# Altium PCB PCB_monitoring_IO.PcbDoc
Units mm, origin at the board's own origin, x right, y up, seen from the top; angles counter-clockwise.
Board outline 185 x 75 mm, 2 copper layers (Top Layer, Bottom Layer), stack 1.571 mm thick; 139 components, 222 nets, 521 pads, 21 vias.
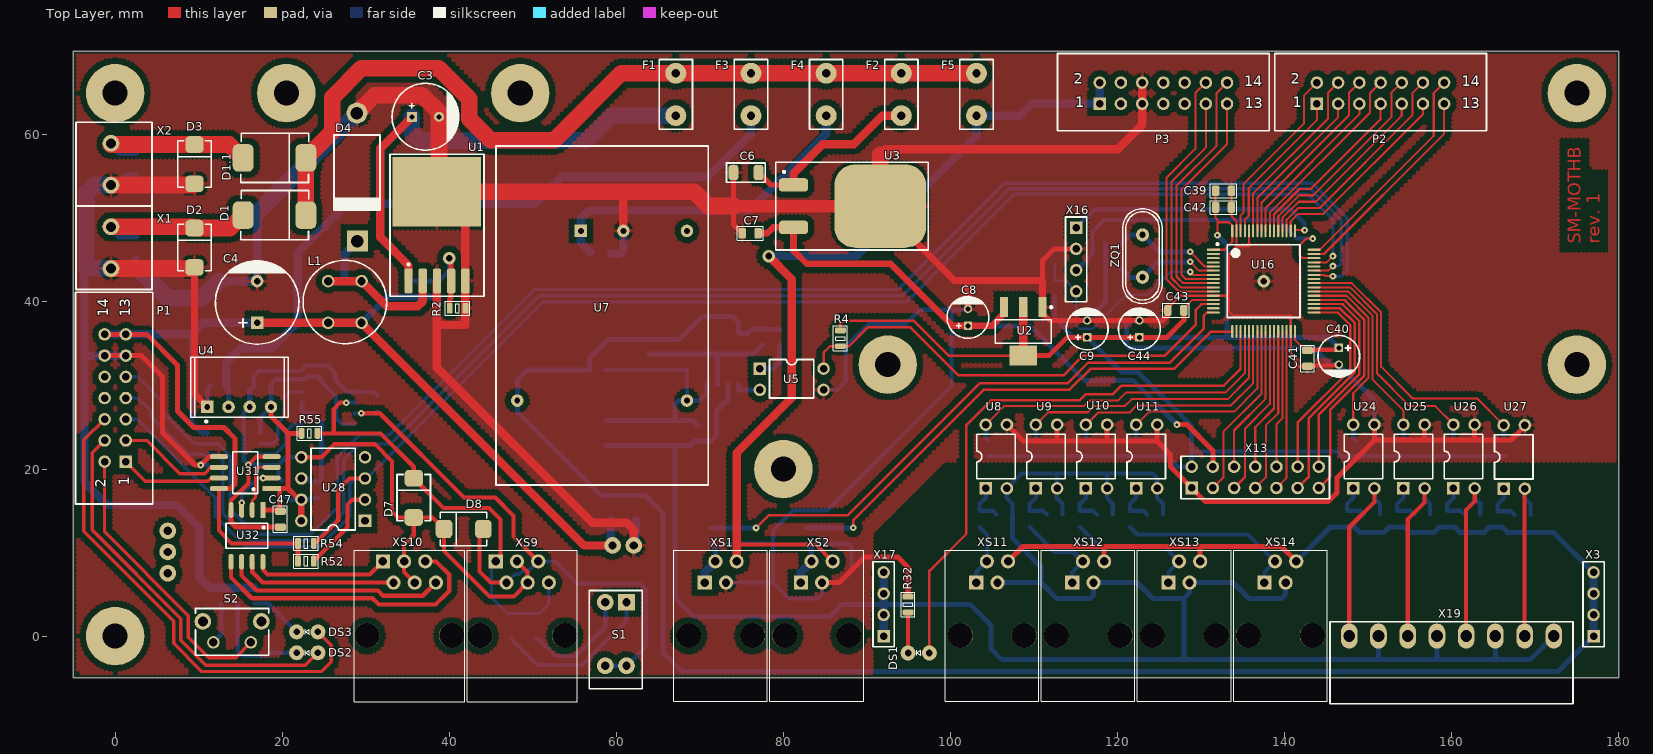
[diagram p0: Top Layer view]
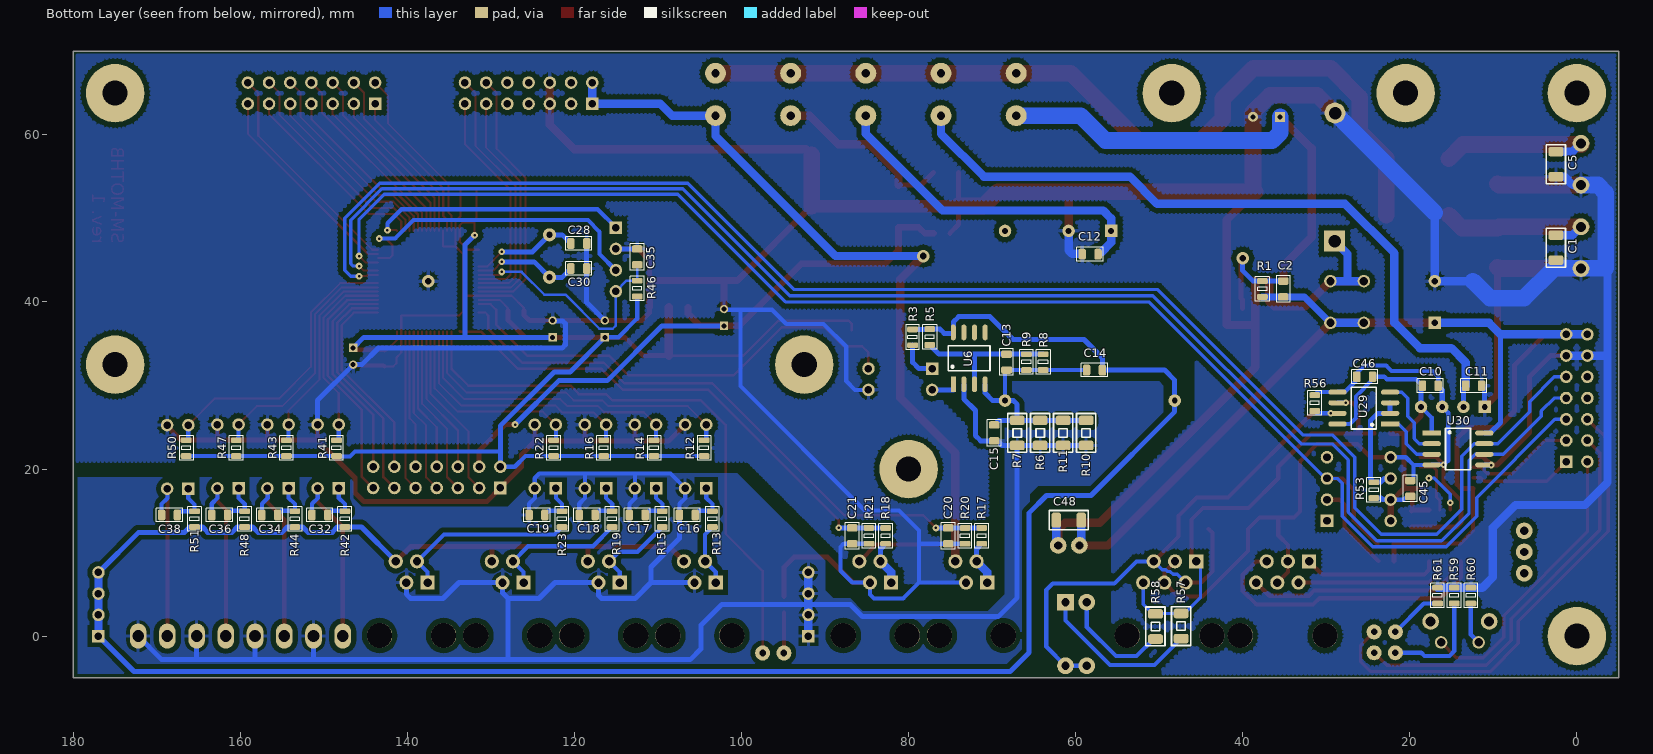
[diagram p1: Bottom Layer view, seen from below]

## Layer stack, top to bottom
Top Solder: solder mask 0.0102, Solder Resist, Dk 3.5
Top Layer: signal copper 0.0356
Dielectric 1: dielectric 1.5, FR-4, Dk 4.8
Bottom Layer: signal copper 0.0356
Bottom Solder: solder mask 0.0102, Solder Resist, Dk 3.5

## Board outline
-5,-5 180,-5 180,70 -5,70

## Design rules (kind name [scope] priority, off if disabled: settings)
Clearance Clearance_3 [InPolygon And InNetClass('GND')] p1: gap=0.4
Clearance Clearance_2 [InPolygon And OnLayer('Bottom Layer')] p2: gap=0.6
Clearance Clearance_1 [InPolygon And OnLayer('Top Layer')] p3: gap=0.7
Clearance [All] p4: gap=0.25
ComponentClearance [All] p1: gap=0 collisioncheckmode=3 verticalgap=0 showdistances=FALSE
Height [All] p1: minheight=0 maxheight=30 prefheight=12.7
HoleSize [All] p1: absolutevalues=TRUE maxlimit=5 minlimit=0.2 maxpercent=80.000 minpercent=20.000
HoleToHoleClearance [All] p1: gap=0.25 allowstackedmicrovias=TRUE
MinimumSolderMaskSliver [All] p1: minsoldermaskwidth=0
PlaneClearance [All] p1: clearance=0.5
PlaneConnect [All] p1: planeconnectstyle=Relief reliefexpansion=0.5 reliefentries=4 reliefconductorwidth=0.3 reliefairgap=0.25
PolygonConnect [All] p1: connectstyle=Relief reliefconductorwidth=0.4 reliefentries=4 polygonreliefangle="90 Angle" airgapwidth=0.4
RoutingCorners [All] p1: cornerstyle=45-Degree minsetback=2 maxsetback=2
RoutingVias [All] p1: holewidth=0.8 width=1.3 viastyle="Through Hole" minholewidth=0.3 minwidth=0.8 maxholewidth=5 maxwidth=7
SilkToBoardRegionClearance [All] p1 off:
SilkToSilkClearance [All] p1: silktosilkclearance=0
SilkToSolderMaskClearance [IsPad] p1: minsilkscreentomaskgap=0 clearancetoexposedcopper=TRUE
SolderMaskExpansion [All] p1: expansion=0.1
Width [All] p1: maxlimit=4 minlimit=0.25 preferedwidth=0.5 minimp=50.000000 maximp=50.000000 favimp=50.000000
19 further rules are at their usual default settings.

## Classes and differential pairs
component class Sheet_Power: C1 C2 C3 C4 C5 C6 C7 C8 C9 C10 C11 C12 C13 C14 C15 C48 D1 D1.1 D2 D3 D4 F1 F2 F3 F4 F5 L1 R1 R2 R3 R4 R5 R6 R7 R8 R9 R10 R11 U1 U2 U3 U4 U5 U6 U7 X1 X2
component class Sheet_MCU_IO: C16 C17 C18 C19 C20 C21 C28 C30 C32 C34 C35 C36 C38 C39 C40 C41 C42 C43 C44 C45 C46 C47 D7 D8 DS1 DS2 DS3 P1 P2 P3 R12 R13 R14 R15 R16 R17 R18 R19 R20 R21 R22 R23 R32 R41 R42 R43 R44 R46 R47 R48 R50 R51 R52 R53 R54 R55 R56 R57 R58 R59 R60 R61 S1 S2 U8 U9 U10 U11 U16 U24 U25 U26 U27 U28 U29 U30 U31 U32 X3 X13 X16 X17 X19 XS1 XS2 XS9 XS10 XS11 XS12 XS13 XS14 ZQ1

## Components (designator, comment, footprint, x,y, rotation, side; value= is the part's Value field where it differs from the comment)
C1 "0,47uF" C_1206 2.5,46.5 r90 bottom
C2 "10nF" C_0805 35.15,41.55 r90 bottom
C3 "Cap_Polar" 8X11 37.15,62.175 r0 top
C4 "Cap_Polar" 10X16 17,40 r90 top
C5 "0,47uF" C_1206 2.5,56.5 r90 bottom
C6 "0,47uF" C_1206 75.525,55.5 r0 top
C7 "0,1uF" C_0805 76.025,48.225 r0 top
C8 "10uF" 5X11 102.1,38.15 r90 top
C9 "10uF" 5X11 116.375,36.775 r90 top
C10 "0,1uF" C_0805 17.55,29.975 r180 bottom
C11 "0,1uF" C_0805 12.35,29.975 r180 bottom
C12 "0,1uF" C_0805 58.275,45.725 r180 bottom
C13 "0,1uF" C_0805 68.275,32.8 r90 bottom
C14 "0,1uF" C_0805 57.75,31.85 r180 bottom
C15 "20pF" C_0805 69.75,24.325 r270 bottom
C16 "0,1uF" C_0805 106.5,14.5 r0 bottom
C17 "0,1uF" C_0805 112.5,14.5 r0 bottom
C18 "0,1uF" C_0805 118.5,14.5 r0 bottom
C19 "0,1uF" C_0805 124.5,14.5 r0 bottom
C20 "Cap_Semi" C_0805 75.25,12 r270 bottom
C21 "Cap_Semi" C_0805 86.75,12 r270 bottom
C28 "20pF" C_0805 119.5,47 r0 bottom
C30 "20pF" C_0805 119.5,44 r0 bottom
C32 "0,1uF" C_0805 150.5,14.5 r0 bottom
C34 "0,1uF" C_0805 156.5,14.5 r0 bottom
C35 "0,1uF" C_0805 112.5,45.4 r90 bottom
C36 "0,1uF" C_0805 162.5,14.5 r0 bottom
C38 "0,1uF" C_0805 168.5,14.5 r0 bottom
C39 "0,1uF" C_0805 132.7,53.325 r0 top
C40 "10uF" 5X11 146.5,33.5 r270 top
C41 "0,1uF" C_0805 142.75,33.25 r270 top
C42 "0,1uF" C_0805 132.7,51.325 r0 top
C43 "10nF" C_0805 127,39 r180 top
C44 "10uF" 5X11 122.625,36.775 r90 top
C45 "0,1uF" C_0805 19.95,17.675 r90 bottom
C46 "0,1uF" C_0805 25.4,31.05 r180 bottom
C47 "0,1uF" C_0805 19.775,14 r90 top
C48 "0,47uF" C_1206 60.825,13.875 r180 bottom
D1 "VS-30BQ040" SMC 19.075,50.4 r180 top
D1.1 "VS-30BQ040" SMC 19.075,57.25 r180 top
D2 "SMBJ15A" SMB 9.5,46.5 r270 top
D3 "SMBJ15A" SMB 9.5,56.5 r270 top
D4 "1N5822" DO-201 29,55 r270 top
D7 "SMBJ12CA" SMB 35.75,16.55 r270 top
D8 "SMBJ12CA" SMB 41.725,12.825 r0 top
DS1 "LED_RED" LED_RED 96.205,-2.025 r270 top locked
DS2 "LED_GREEN" LED_GREEN 23,-2 r270 top locked
DS3 "LED_RED" LED_RED 23,0.5 r270 top locked
F1 "RFTQ-2.5A" "Fuse RFTQ" 67.125,64.85 r90 top
F2 "RFTQ-0.16A" "Fuse RFTQ" 94.125,64.85 r90 top
F3 "RFTQ-0.16A" "Fuse RFTQ" 76.125,64.85 r90 top
F4 "RFTQ-1A" "Fuse RFTQ" 85.125,64.85 r90 top
F5 "RFTQ-1A" "Fuse RFTQ" 103.125,64.85 r90 top
L1 "RCH110NP-470K" RCH-110 27.5,40 r180 top
P1 "BH-14" BH-14 0,28.5 r90 top
P2 "BH-14" BH-14 151.5,65 r0 top
P3 "BH-14" BH-14 125.5,65 r0 top
R1 "Resistor" R_0805 37.65,41.55 r270 bottom
R2 "Resistor" R_0805 41,39.25 r180 top
R3 "Resistor" R_0805 79.525,35.775 r270 bottom
R4 "Resistor" R_0805 86.825,35.65 r90 top
R5 "Resistor" R_0805 77.475,35.8 r90 bottom
R6 "Resistor" R_1206 64.25,24.325 r270 bottom
R7 "Resistor" R_1206 67,24.325 r270 bottom
R8 "Resistor" R_0805 63.9,32.8 r90 bottom
R9 "Resistor" R_0805 65.9,32.8 r90 bottom
R10 "Resistor" R_1206 58.75,24.325 r270 bottom
R11 "Resistor" R_1206 61.5,24.325 r270 bottom
R12 "Resistor" R_0805 104.5,22.5 r90 bottom
R13 "Resistor" R_0805 103.5,14 r270 bottom
R14 "Resistor" R_0805 110.5,22.5 r90 bottom
R15 "Resistor" R_0805 109.5,14 r270 bottom
R16 "Resistor" R_0805 116.5,22.5 r90 bottom
R17 "Resistor" R_0805 71.25,12 r270 bottom
R18 "Resistor" R_0805 82.75,12 r270 bottom
R19 "Resistor" R_0805 115.5,14 r270 bottom
R20 "Resistor" R_0805 73.25,12 r270 bottom
R21 "Resistor" R_0805 84.75,12 r270 bottom
R22 "Resistor" R_0805 122.5,22.5 r90 bottom
R23 "Resistor" R_0805 121.5,14 r270 bottom
R32 "Resistor" R_0805 94.925,3.775 r90 top
R41 "Resistor" R_0805 148.5,22.5 r90 bottom
R42 "Resistor" R_0805 147.5,14 r270 bottom
R43 "Resistor" R_0805 154.5,22.5 r90 bottom
R44 "Resistor" R_0805 153.5,14 r270 bottom
R46 "Resistor" R_0805 112.5,41.6 r90 bottom
R47 "Resistor" R_0805 160.5,22.5 r90 bottom
R48 "Resistor" R_0805 159.5,14 r270 bottom
R50 "Resistor" R_0805 166.5,22.5 r90 bottom
R51 "Resistor" R_0805 165.5,14 r270 bottom
R52 "Resistor" R_0805 22.825,8.975 r180 top
R53 "Resistor 0805" R_0805 24.3,17.475 r270 bottom
R54 "Resistor" R_0805 22.825,11.1 r180 top
R55 "Resistor 0805" R_0805 23.275,24.275 r180 top
R56 "Resistor 0805" R_0805 31.375,27.9 r90 bottom
R57 "Resistor 1206" R_1206 47.375,1.2 r270 bottom
R58 "Resistor 1206" R_1206 50.45,1.15 r270 bottom
R59 "Resistor" R_0805 14.675,4.85 r90 bottom
R60 "Resistor" R_0805 12.675,4.85 r90 bottom
R61 "Resistor" R_0805 16.675,4.85 r90 bottom
S1 "SW DIP-2" Swich_DIP2 59.95,0.25 r270 top
S2 "Swtich" Swich_TACTA-68N-F_ 14,0.5 r0 top locked
U1 "LM2596SX-ADJ" D2PAK_5p 38.525,47.925 r0 top
U2 "LD1117AS33TR" SOT-223_N 108.725,36.475 r270 top
U3 "L7805ABD2T" D2PAK_3p 86.4,51.475 r270 top
U4 "B1205S-1W" SIP4 9.532,26.196 r0 top
U5 "PC817C" DIP-4 81,30.75 r270 top
U6 "LM393DR2G" SO-8_L 72.75,33.25 r90 bottom
U7 "NSD05-12S12" NSD05 58.3,38.35 r270 top
U8 "PC817C" DIP-4 105.5,21.5 r0 top
U9 "PC817C" DIP-4 111.5,21.5 r0 top
U10 "PC817C" DIP-4 117.5,21.5 r0 top
U11 "PC817C" DIP-4 123.5,21.5 r0 top
U16 "STM32F030R8T6" LQFP64_L 137.5,42.5 r0 top
U24 "PC817C" DIP-4 149.5,21.5 r0 top
U25 "PC817C" DIP-4 155.5,21.5 r0 top
U26 "PC817C" DIP-4 161.5,21.5 r0 top
U27 "PC817C" DIP-4 167.513,21.454 r0 top
U28 "6N137" DIP-8 26.1,17.6 r90 top
U29 "ST485BDR" SO-8_N 25.5,27.3 r0 bottom
U30 "ADuM1201" SO-8_N 14.225,22.4 r180 bottom
U31 "ADuM1201" SO-8_N 15.575,19.575 r180 top
U32 "SN75179B" SO-8_L 15.775,12 r270 top
X1 "DG300-5.0-02P" "5MM 2" -0.5,46.5 r270 top
X2 "DG300-5.0-02P" "5MM 2" -0.5,56.5 r270 top
X3 "ZL2029" PLS-4-3D 177,0 r90 top
X13 "PLS2-14" PLS2-14 136.5,19 r0 top
X16 "PLS-4" PLS-4-3D 115.05,48.9 r270 top
X17 "PLS-4" PLS-4-3D 92,0 r90 top
X19 "15EDGRC-3.5-08P" MC_3.5_8 160,0 r0 top
XS1 "RJ-11" "RJ-11 - TJ4-4P4C" 72.5,4.5 r180 top
XS2 "RJ-11" "RJ-11 - TJ4-4P4C" 84,4.5 r180 top
XS9 "RJ-12" "RJ-12 - TJ4-6P6C" 48.75,4.5 r180 top locked
XS10 "RJ-12" "RJ-12 - TJ4-6P6C" 35.225,4.5 r180 top locked
XS11 "RJ-11" "RJ-11 - TJ4-4P4C" 105,4.5 r180 top
XS12 "RJ-11" "RJ-11 - TJ4-4P4C" 116.5,4.5 r180 top
XS13 "RJ-11" "RJ-11 - TJ4-4P4C" 128,4.5 r180 top
XS14 "RJ-11" "RJ-11 - TJ4-4P4C" 139.5,4.5 r180 top
ZQ1 "8MHz" HC49S_3D 123,45.5 r90 top

## Footprints (in the part's own frame and the unit in brackets; to place one, negate y for a bottom-side part, rotate by r counter-clockwise, add the part's x,y. Pads: shape width x height; smd on the part's side, far side on the other; paste and mask are expansions set on the pad)
"5MM 2" [mm]
  round 2 hole 1.2: 1(-2.5,0) 2(2.5,0)
  silkscreen extent -5,-4.2 5,4.9, body extent -5,-4 5,5, height 12.6
5X11 [mm] "Electrolytic Capacitors Pin"
  rect 1x1 hole 0.6: 1(-1,0)
  round 1 hole 0.6: 2(1,0)
  silkscreen extent -2.5,-2.5 2.5,2.5, body extent -2.53,-2.53 2.53,2.53, height 7.53
8X11 [mm] "Electrolytic Capacitors Pin"
  rect 1.2x1.2 hole 0.6: 1(-1.625,0)
  round 1.2 hole 0.6: 2(1.625,0)
  silkscreen extent -4,-4 4,4, body extent -4.03,-4 4.03,4.05, height 12.03
10X16 [mm] "Electrolytic Capacitors Pin"
  rect 1.5x1.5 hole 0.8: 1(-2.5,0)
  round 1.5 hole 0.8: 2(2.5,0)
  silkscreen extent -5.05,-5 4.95,5, body extent -5.05,-5 4.95,5, height 12
BH-14 [mm] "Connector IDC"
  rect 1.5x1.5 hole 0.9: 1(-7.62,-1.27)
  round 1.5 hole 0.9: 2(-7.62,1.27) 3(-5.08,-1.27) 4(-5.08,1.27) 5(-2.54,-1.27) 6(-2.54,1.27) 7(0,-1.27) 8(0,1.27) 9(2.54,-1.27) 10(2.54,1.27) 11(5.08,-1.27) 12(5.08,1.27) 13(7.62,-1.27) 14(7.62,1.27)
  silkscreen extent -12.68,-4.5 12.68,4.75, body extent -12.69,-4.4 12.69,4.7, height 9.3
C_0805 [mm] "Ceramic Capacitors SMD"
  rrect50% 0.9x1.3 smd: 1(-0.95,0) 2(0.95,0)
  silkscreen extent -1.58,-0.82 1.58,0.83, body extent -1,-0.62 1,0.63, height 0.78
C_1206 [mm] "Ceramic Capacitors SMD"
  rrect50% 1.15x1.8 smd: 1(-1.5,0) 2(1.5,0)
  silkscreen extent -2.32,-1.15 2.33,1.15, body extent -1.6,-0.8 1.6,0.8, height 1
D2PAK_3p [mm] "D2-PAK; 5 Leads; Body 14.7 (inc. leads) x 10.2 mm (LxW max)"
  rrect50% 1.6x3.5 smd: 1(-2.54,-5.194) 2(2.54,-5.194)
  rrect50% 10x11 smd: 3(0,5.194)
  silkscreen extent -5.25,-7.32 5.25,10.94, body extent -5.08,-5.83 5.08,9.43, height 4.88
D2PAK_5p [mm] "D2-PAK; 5 Leads; Body 14.7 (inc. leads) x 10.2 mm (LxW max)"
  rrect50% 1x3 smd: 1(-3.4,-5.4) 2(-1.7,-5.4) 3(0,-5.4) 4(1.7,-5.4) 5(3.4,-5.4)
  rect 10.6x8.3 smd: 6(0,5.275)
  silkscreen extent -5.63,-7.22 5.63,9.75, body extent -5,-6.59 5,9.08, height 4.78
DIP-4 [mm]
  rect 1.5x1.5 hole 0.9: 1(-1.27,-3.81)
  round 1.5 hole 0.9: 2(1.27,-3.81) 3(1.27,3.81) 4(-1.27,3.81)
  silkscreen extent -2.36,-2.65 2.25,2.65, body extent -2.82,-4.03 2.73,3.98, height 4.31
DIP-8 [mm] "8-Pin Plastic Dual In-Line Package (PDIP)"
  rect 1.5x1.5 hole 0.9: 1(-3.81,-3.81)
  round 1.5 hole 0.9: 2(-1.27,-3.81) 3(1.27,-3.81) 4(3.81,-3.81) 5(3.81,3.81) 6(1.27,3.81) 7(-1.27,3.81) 8(-3.81,3.81)
  silkscreen extent -4.9,-2.65 4.9,2.65, body extent -4.96,-3.91 4.95,3.91, height 4.57
DO-201 [mm]
  round 2.5 hole 1.5: 1(-7.62,-0.05)
  rect 2.5x2.5 hole 1.5: 2(7.7,0)
  silkscreen extent -5,-2.8 4,2.7, body extent -8.28,-2.85 8.28,2.75, height 7.6
"Fuse RFTQ" [mm]
  round 2.5 hole 1: 1(-2.54,0) 2(2.54,0)
  silkscreen extent -4.18,-2 4.18,2, body extent -4.18,-2 4.18,2, height 7.7
HC49S_3D [mil]
  round 62 hole 30: 1(-100,0) 2(100,0)
  silkscreen extent -224,-94 224,94, body extent -223,-92 223,92, height 142
LED_GREEN [mm]
  round 1.8 hole 0.8: 1(0,1.27) 2(0,-1.27)
  silkscreen extent -0.33,-0.23 0.3,0.22, body extent -1.99,-1.99 1.5,1.99, height 6.38
LED_RED [mm]
  round 1.8 hole 0.8: 1(0,1.27) 2(0,-1.27)
  silkscreen extent -0.33,-0.23 0.3,0.22, body extent -1.99,-1.99 1.5,1.99, height 5.88
LQFP64_L [mm] "Thin QFP, 64-Leads, Body 10x10mm, Pitch 0.5mm, IPC High Density"
  rect 1.55x0.25 smd: 1(-6.025,3.75)
  oval 1.55x0.25 smd: 2(-6.025,3.25) 3(-6.025,2.75) 4(-6.025,2.25) 5(-6.025,1.75) 6(-6.025,1.25) 7(-6.025,0.75) 8(-6.025,0.25) 9(-6.025,-0.25) 10(-6.025,-0.75) 11(-6.025,-1.25) 12(-6.025,-1.75) 13(-6.025,-2.25) 14(-6.025,-2.75) 15(-6.025,-3.25) 16(-6.025,-3.75) 33(6.025,-3.75) 34(6.025,-3.25) 35(6.025,-2.75) 36(6.025,-2.25) 37(6.025,-1.75) 38(6.025,-1.25) 39(6.025,-0.75) 40(6.025,-0.25) 41(6.025,0.25) 42(6.025,0.75) 43(6.025,1.25) 44(6.025,1.75) 45(6.025,2.25) 46(6.025,2.75) 47(6.025,3.25) 48(6.025,3.75)
  oval 0.25x1.55 smd: 17(-3.75,-6.025) 18(-3.25,-6.025) 19(-2.75,-6.025) 20(-2.25,-6.025) 21(-1.75,-6.025) 22(-1.25,-6.025) 23(-0.75,-6.025) 24(-0.25,-6.025) 25(0.25,-6.025) 26(0.75,-6.025) 27(1.25,-6.025) 28(1.75,-6.025) 29(2.25,-6.025) 30(2.75,-6.025) 31(3.25,-6.025) 32(3.75,-6.025) 49(3.75,6.025) 50(3.25,6.025) 51(2.75,6.025) 52(2.25,6.025) 53(1.75,6.025) 54(1.25,6.025) 55(0.75,6.025) 56(0.25,6.025) 57(-0.25,6.025) 58(-0.75,6.025) 59(-1.25,6.025) 60(-1.75,6.025) 61(-2.25,6.025) 62(-2.75,6.025) 63(-3.25,6.025) 64(-3.75,6.025)
  silkscreen extent -5.65,-4.35 4.35,4.55, body extent -6,-6 6,6, height 1.7
MC_3.5_8 [mm]
  oval 2x3 hole 1.4: 1(-12.25,0) 2(-8.75,0) 3(-5.25,0) 4(-1.75,0) 5(1.75,0) 6(5.25,0) 7(8.75,0) 8(12.25,0)
  silkscreen extent -14.55,-8.1 14.55,1.7, body extent -14.4,-7.95 14.4,1.25, height 7.2
NSD05 [mm] "5W DC-DC Regulated Single Output"
  rect 1.5x1.5 hole 0.7: 1(-10.16,-2.54)
  round 1.5 hole 0.7: 2(-10.16,2.54) 3(10.16,-10.16) 4(10.16,10.16) 5(-10.16,10.16)
  silkscreen extent -20.33,-12.7 20.27,12.7, body extent -20.33,-12.7 20.28,12.67, height 8.3
PLS2-14 [mm] "Connector; Header; 14 Position"
  rect 1.5x1.5 hole 0.9: 1(-7.62,-1.27)
  round 1.5 hole 0.9: 2(-5.08,-1.27) 3(-2.54,-1.27) 4(0,-1.27) 5(2.54,-1.27) 6(5.08,-1.27) 7(7.62,-1.27) 8(7.62,1.27) 9(5.08,1.27) 10(2.54,1.27) 11(0,1.27) 12(-2.54,1.27) 13(-5.08,1.27) 14(-7.62,1.27)
  silkscreen extent -8.89,-2.54 8.89,2.54, body extent -8.89,-2.54 8.89,2.54, height 8.44
PLS-4-3D [mm] "Connector; Header; 4 Position"
  rect 1.5x1.5 hole 0.9: 1(0,0)
  round 1.5 hole 0.9: 2(2.54,0) 3(5.08,0) 4(7.62,0)
  silkscreen extent -1.27,-1.27 8.89,1.27, body extent -1.27,-1.27 8.89,1.27, height 8.44
R_0805 [mm] "Resistor Pattern"
  rrect50% 0.7x1.3 smd: 1(-0.95,0) 2(0.95,0)
  silkscreen extent -1.48,-0.82 1.48,0.82, body extent -1.15,-0.67 1.15,0.68, height 0.76
R_1206 [mm]
  rrect50% 1.15x1.8 smd: 1(-1.5,0) 2(1.5,0)
  silkscreen extent -2.32,-1.15 2.33,1.15, body extent -1.67,-0.86 1.68,0.87, height 0.85
RCH-110 [mm]
  round 1.5 hole 1: 1(-2,2.5) 1(2,2.5) 2(-2,-2.5) 2(2,-2.5)
  silkscreen extent -5,-5 5,5, body extent -4.97,-5 5.03,5, height 12.13
"RJ-11 - TJ4-4P4C" [mm] "Telephone connector"
  round 3 hole 3 unplated: 0(-3.83,4.445) 0(3.83,4.445)
  rect 1.7x1.7 hole 1: 1(1.905,-1.905)
  round 1.7 hole 1: 2(0.635,-4.445) 3(-0.635,-1.905) 4(-1.905,-4.445)
  silkscreen extent -5.6,-5.75 5.6,12.32, body extent -5.6,-5.75 5.6,12.32, height 11
"RJ-12 - TJ4-6P6C" [mm] "Telephone connector"
  round 3 hole 3 unplated: 0(-5.08,4.445) 0(5.08,4.445)
  rect 1.7x1.7 hole 1: 1(3.175,-4.445)
  round 1.7 hole 1: 2(1.905,-1.905) 3(0.635,-4.445) 4(-0.635,-1.905) 5(-1.905,-4.445) 6(-3.175,-1.905)
  silkscreen extent -6.6,-5.75 6.6,12.34, body extent -6.64,-5.68 6.56,12.32, height 11.55
SIP4 [mm]
  rect 1.5x1.5 hole 0.7: 1(1.5,1.25)
  round 1.5 hole 0.7: 2(4.04,1.25) 3(6.58,1.25) 4(9.12,1.25)
  silkscreen extent -0.5,-0.63 11.18,7.2, body extent -0.53,0 11.15,6, height 10.25
SMB [mm]
  rrect50% 2x2.2 smd: 1(2.35,0) 2(-2.35,0)
  silkscreen extent -2.8,-2 2.75,2, body extent -2.79,-1.97 2.79,1.98, height 2.65
SMC [mm]
  rrect50% 2.5x3.3 smd: 1(3.75,0) 2(-3.75,0)
  silkscreen extent -4.1,-2.95 4.03,2.95, body extent -4.07,-3.05 4.06,3.05, height 2.4
SO-8_L [mm] "SOIC, 8-Leads, Body 4.9x3.9mm, Pitch 1.27mm, IPC High Density"
  rect 1.9x0.6 smd: 1(-3.1,1.905)
  oval 1.9x0.6 smd: 2(-3.1,0.635) 3(-3.1,-0.635) 4(-3.1,-1.905) 5(3.1,-1.905) 6(3.1,-0.635) 7(3.1,0.635) 8(3.1,1.905)
  silkscreen extent -1.5,-2.5 1.5,2.5, body extent -3.17,-2.5 3.17,2.5, height 1.88
SO-8_N [mm] "SOIC, 8-Leads, Body 4.9x3.9mm, Pitch 1.27mm, IPC Medium Density"
  rect 2.2x0.6 smd: 1(-3.15,1.905)
  oval 2.2x0.6 smd: 2(-3.15,0.635) 3(-3.15,-0.635) 4(-3.15,-1.905) 5(3.15,-1.905) 6(3.15,-0.635) 7(3.15,0.635) 8(3.15,1.905)
  silkscreen extent -1.5,-2.5 1.5,2.5, body extent -3.17,-2.5 3.17,2.5, height 1.88
SOT-223_N [mm] "SOT223, 4-Leads, Body 6.5x3.5mm, Pitch 2.3mm, Lead Span 7mm, IPC Medium Density"
  rect 2.4x1 smd: 1(-2.9,2.3) 2(-2.9,0) 3(-2.9,-2.3)
  rect 2.4x3.3 smd: 4(2.9,0)
  silkscreen extent -3.02,-3.35 1.4,3.48, body extent -3.5,-3.25 3.5,3.25, height 1.7
Swich_DIP2 [mm]
  rect 2x2 hole 1: 1(-3.81,1.27)
  round 2 hole 1: 2(-3.81,-1.27) 3(3.81,-1.27) 4(3.81,1.27)
  silkscreen extent -5.21,-3.18 6.57,3.17, body extent -4.93,-3 6.43,3, height 9
Swich_TACTA-68N-F_ [mm]
  round 2 hole 1.2: 0(-3.5,1.25) 0(3.5,1.25)
  round 1.5 hole 1: 1(-2.25,-1.25) 2(2.25,-1.25)
  silkscreen extent -4.38,-2.8 4.38,2.8, body extent -4.25,-9.53 4.25,2.87, height 7.4

## Part data
C1 C2 C5 C6 C7 C10 C11 C12 C13 C14 C15 C16 C17 C18 C19 C28 C30 C32 C34 C35 C36 C38 C39 C41 C42 C43 C45 C46 C47 C48: library part Cap_Semi, "Capacitor semi"
C3 C4: "Capacitor Polar"
C8 C9 C40 C44: library part "Capacitor Polar", "Capacitor polar"
C20 C21: "Capacitor Semi"
D1 D1.1 D4: "Diode Schottky"
D2 D3: library part SMBJ13A, "Supressor"
D7 D8: "Supressor"
DS1 DS2 DS3: "LED"
F1 F2 F3 F4 F5: library part Fuse, "Fuse"
L1: library part Inductor, "Inductor"
P1 P2 P3: "IDC/BH"
S1: "DIP Switch_2"
U1: "Easy Switcher 3.0A Step-Down Voltage Regulator"
U2: "Voltage Regulators 800mA"
U3: "Voltage Regulators"
U4: library part B0505S-1W, "DC/DC converter"
U5 U8 U9 U10 U11 U24 U25 U26 U27: library part PC817, "Optocoupler"
U6: "Dual Comparators"
U7: "DC/DC Regulated Single Output"
U16: "ARM Cortex-M0 32-bit MCU, 64 KB Flash, 8 KB Internal RAM, 55 I/Os, 64-pin LQFP, -40 to 85 degC, Tray"
U28: "Optocoupler"
U29: "RS-485/RS-422 Transceiver"
U30 U31: "Dual-Channel Digital Isolators"
U32: "RS485/RS422 Differential driver and receiver pair"
X1 X2: library part DG300_2pin, "Connector 5mm"
X3: library part PLS-4, "Header, 4-Pin"
X13: "Header, 14-Pin"
X16: "ZL201-04G"
X17: "ZL2029"
X19: library part MC_3.5_8, "Connector 3.5mm"
XS1 XS2 XS11 XS12 XS13 XS14: "TJ4-4P4C"
XS9 XS10: "TJ4-6P6C"
ZQ1: library part XTAL, "Crystal Oscillator"

## Free pads (board coordinates)
  round 7 hole 3: 0(0,0) 0(0,65) 0(20.5,65) 0(48.5,65) 0(80,20) 0(92.5,32.5) 0(175,32.5) 0(175,65)
  round 2 hole 1: 0(59.55,10.85) 1(62.1,10.85) 2(6.3,7.525) 2(6.3,10.075) 2(6.3,12.6)

## Via types
v1: diameter 0.8, hole 0.3, Top Layer to Bottom Layer, 18 vias
v2: diameter 1.5, hole 0.8, Top Layer to Bottom Layer, 3 vias
